# Altium PCB HORNET-1-IPG.PcbDoc (part 6 of 8)
Units mm, origin at the board's own origin, x right, y up, seen from the top; angles counter-clockwise.
Board outline 91.44 x 90.73 mm, 8 copper layers (TOP, AVERT, AHOR, GND, POWER, DVERT, DHOR, BOT), stack 0.686 mm thick; 726 components, 412 nets, 2077 pads, 2674 vias.
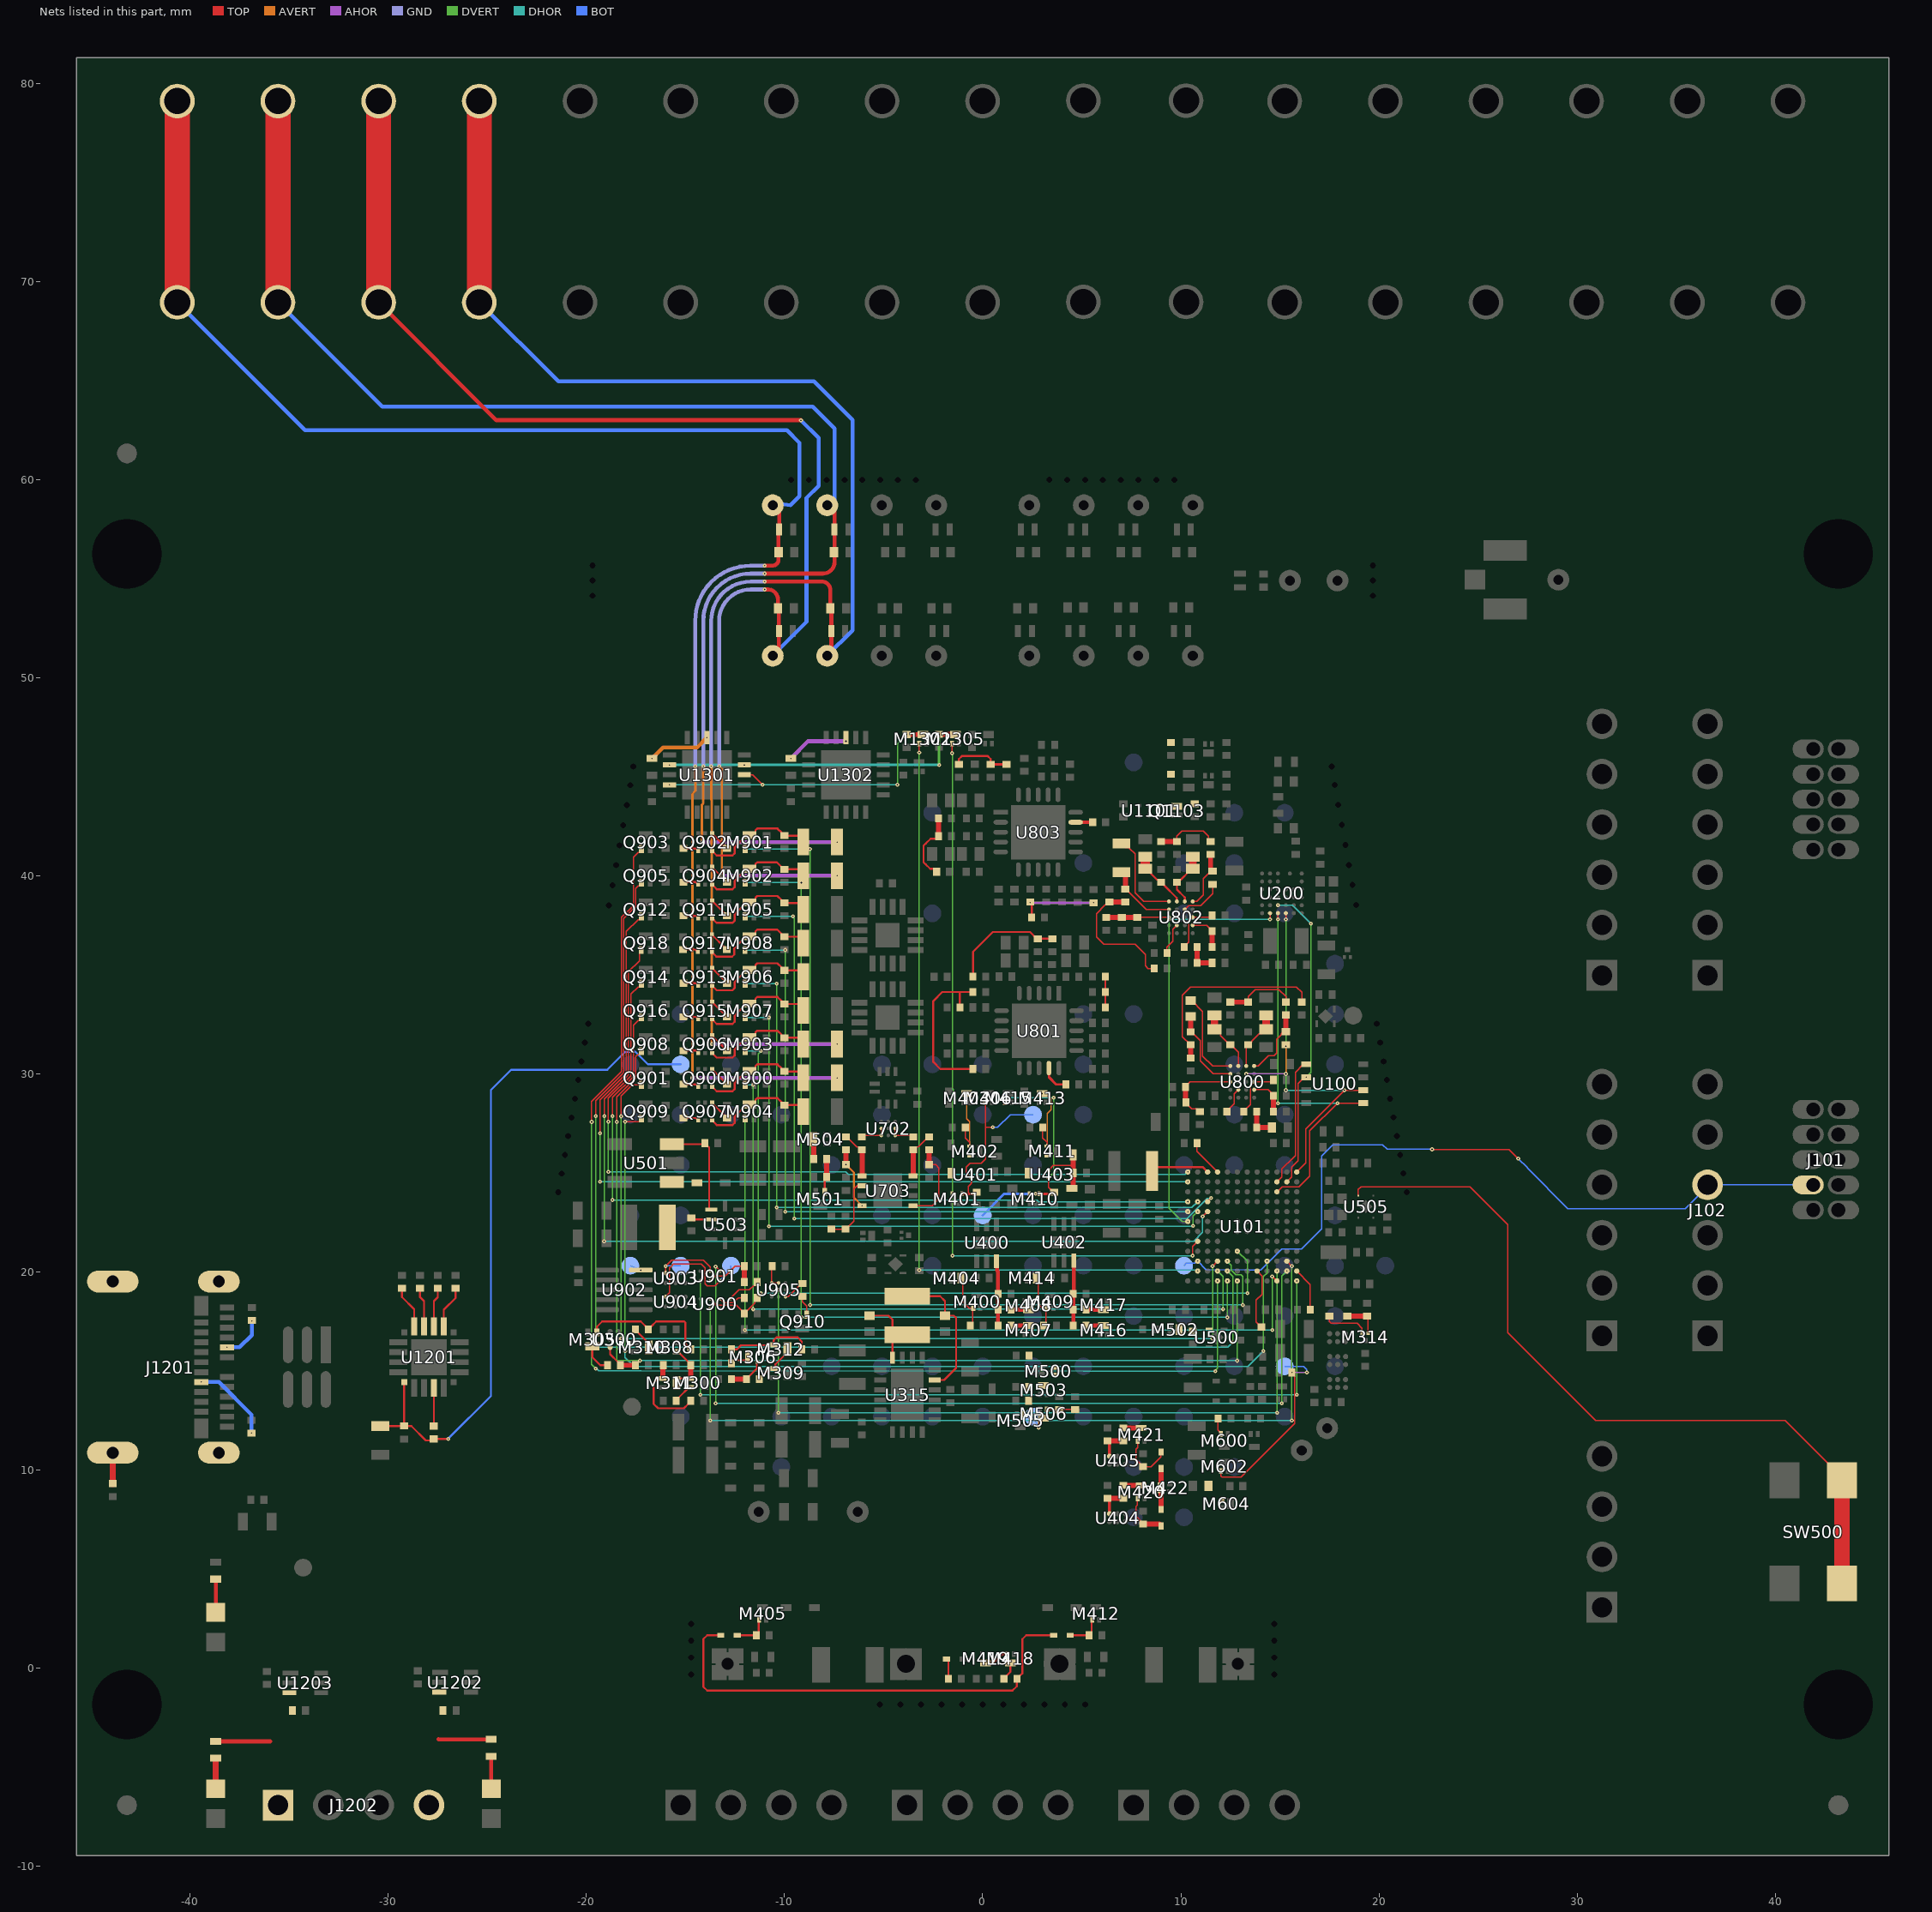
[diagram p12: the nets of this part, all layers, seen from the top]

## Via types
v1: diameter 0.2, hole 0.07, TOP to GND, tented top, 631 vias
v2: diameter 0.2, hole 0.07, GND to BOT, tented bottom, 276 vias
v3: diameter 0.2, hole 0.07, TOP to AHOR, tented top, 245 vias
v4: diameter 0.2, hole 0.07, TOP to BOT, tented top, 216 vias
v5: diameter 0.2, hole 0.07, TOP to POWER, tented top, 159 vias
v6: diameter 0.2, hole 0.07, TOP to DHOR, tented top, 156 vias
v7: diameter 0.2, hole 0.07, DHOR to BOT, tented bottom, 134 vias
v8: diameter 0.2, hole 0.07, TOP to AVERT, tented top, 129 vias
v9: diameter 0.2, hole 0.07, TOP to DVERT, tented top, 111 vias
v10: diameter 0.2, hole 0.07, AVERT to AHOR, 100 vias
v11: diameter 0.2, hole 0.07, DVERT to DHOR, 89 vias
v12: diameter 0.2, hole 0.07, DVERT to DHOR, tented both sides, 86 vias
v13: diameter 0.2, hole 0.07, AHOR to GND, 81 vias
v14: diameter 0.2, hole 0.07, TOP to AVERT, tented both sides, 47 vias
v15: diameter 0.2, hole 0.07, AVERT to AHOR, tented both sides, 39 vias
v16: diameter 0.2/0.2/0.2/0.2 (per signal layer), hole 0.07, TOP to GND, tented both sides, 35 vias
v17: diameter 0.2, hole 0.07, GND to POWER, 28 vias
v18: diameter 0.2, hole 0.07, POWER to DVERT, 22 vias
v19: diameter 0.2, hole 0.07, TOP to BOT, tented both sides, 21 vias
v20: diameter 0.2, hole 0.07, TOP to POWER, tented both sides, 17 vias
v21: diameter 0.2, hole 0.07, TOP to BOT, tented bottom, 12 vias
v22: diameter 0.2, hole 0.07, GND to BOT, tented both sides, 9 vias
v23: diameter 0.2/0.2/0/0.2/0/0/0/0.2 (per signal layer), hole 0.07, TOP to BOT, tented both sides, 7 vias
v24: diameter 0.2/0/0/0/0.2 (per signal layer), hole 0.07, TOP to POWER, tented top, 5 vias
v25: diameter 0.2, hole 0.07, TOP to DVERT, 4 vias
v26: diameter 0.2, hole 0.07, TOP to AHOR, tented both sides, 3 vias
v27: diameter 0.2/0.2/0/0.2/0/0.2/0/0.2 (per signal layer), hole 0.07, TOP to BOT, tented both sides, 2 vias
v28: diameter 0.2, hole 0.07, TOP to GND, tented both sides, 1 vias
v29: diameter 0.2, hole 0.07, AHOR to GND, tented bottom, 1 vias
v30: diameter 0/0 (per signal layer), hole 0.07, GND to POWER, 1 vias
v31: diameter 0.2/0 (per signal layer), hole 0.07, AVERT to AHOR, 1 vias
v32: diameter 0/0 (per signal layer), hole 0.07, AHOR to GND, 1 vias
v33: diameter 0/0 (per signal layer), hole 0.07, POWER to DVERT, 1 vias
v34: diameter 0/0 (per signal layer), hole 0.07, DVERT to DHOR, 1 vias
v35: diameter 0/0.2 (per signal layer), hole 0.07, DHOR to BOT, tented bottom, 1 vias
v36: diameter 0.2, hole 0.07, AVERT to AHOR, tented top, 1 vias
v37: diameter 0.2/0/0/0.2/0/0/0/0.2 (per signal layer), hole 0.07, TOP to BOT, tented both sides, 1 vias

## Nets (pads, with @x,y where several pads share a name; then routed paths per layer and width w, separated by ;. In a path a pad name is that pad's centre, name@x,y a point inside that pad or via, vN(x,y) a via of type N, cw(c..) or ccw(c..) an arc to the next point about the centre after c; other vN are vias at no path point) (continued)
NetC423_2: C423.2 R419.2 R420.1 U403.A2 | length 3.1
  TOP w0.06: U403.A2@3.325,25.11 3.325,25.128 3.572,25.375 4.57,25.375 ; R419.2@4.5,24.225 R419.2@4.57,24.295 ; R420.1@4.564,25.915 R420.1@4.57,25.908
  TOP w0.254: R419.2@4.57,24.295 C423.2@4.57,25 4.57,25.375 R420.1@4.57,25.908
NetC509_2: C509.2 M506.1 R510.2 TP509.1 | length 3.2
  TOP w0.06: v8(3.247,13.069) 4.648,13.069 C509.2@4.661,13.056
  AVERT w0.06: v35(2.825,12.138) 2.825,12.436 3.248,12.859 3.248,13.067 v8(3.247,13.069)
  BOT w0.06: TP509.1@2.54,12.7 v35(2.825,12.138)
  other v30: 2.825,12.138
  other v31: 2.825,12.138
  other v32: 2.825,12.138
  other v33: 2.825,12.138
  other v34: 2.825,12.138
NetC800_2: C800.2 R800.2 R804.1 U800.A3 | length 4.1
  TOP w0.06: R804.1@10.235,28.581 R804.1@10.25,28.566 10.25,28.541 10.555,28.236 10.82,28.236 R800.2@10.965,28.091 ; C800.2@10.235,29.336 10.235,29.371 10.464,29.6 U800.A3@12.5,29.6
  TOP w0.254: R804.1@10.235,28.581 C800.2@10.235,29.336
NetC802_1: C802.1 U800.A5 | length 4.7
  TOP w0.06: C802.1@10.5,33.7 10.55,33.7 11.1,33.15 11.1,30.9 11.6,30.4 U800.A5@12.5,30.4
NetC802_2: C802.2 R803.2 U800.A4 | length 4.3
  TOP w0.06: U800.A4@12.5,30 12.2,30 11.64,30 10.98,30.66 10.98,31.667 10.67,31.977 10.67,31.98 R803.2@10.55,32.1 ; R803.2@10.5,32.1 R803.2@10.55,32.1 ; R803.2@10.5,32.1 R803.2@10.55,32.1 ; R803.2@10.5,32.1 R803.2@10.55,32.1
  TOP w0.254: R803.2@10.5,32.125 C802.2@10.5,32.9
NetC803_1: C803.1 R810.2 U800.D5 | length 3.5
  TOP w0.06: U800.D5@13.7,30.4 13.904,30.4 14.424,30.92 14.696,30.92 14.835,31.059 14.835,31.735 15.07,31.97 15.07,32.02 15.25,32.2 C803.1@15.3,32.2
  TOP w0.254: C803.1@15.3,32.2 R810.2@15.3,32.975
NetC803_2: C803.2 U800.C4 | length 3.4
  AHOR w0.06: v3(13.3,30) 14,30 v15(15.3,30)
  AVERT w0.06: v15(15.3,30) v8(15.3,31.4)
NetC805_2: C805.2 R812.2 U800.D3 | length 2.7
  TOP w0.06: R812.2@13.2,28.15 13.505,28.455 13.505,29.405 U800.D3@13.7,29.6 14.57,29.6 C805.2@14.67,29.7
NetC806_2: C806.2 R811.2 R812.1 | length 1.7
  TOP w0.06: R812.1@13.812,28.088 R812.1@13.825,28.075 ; R812.1@13.8,28.1 R812.1@13.825,28.075 ; R812.1@13.8,28.1 R812.1@13.825,28.075 ; R812.1@13.8,28.1 R812.1@13.825,28.075
  TOP w0.254: R812.1@13.825,28.075 R811.2@13.825,27.3 C806.2@14.6,27.3
NetC813_1: C813.1 R827.2 R828.1 | length 8.2
  TOP w0.102: R827.2@-1.148,33.353 -1.148,34.129 ; C813.1@-0.488,30.251 -2.138,30.251 -2.489,30.602 -2.489,33.68 -2.04,34.129 -1.148,34.129 ; R828.1@-0.483,34.129 R828.1@-0.493,34.129 -1.148,34.129
NetC814_1: C814.1 R841.2 U802.D5 | length 2.7
  TOP w0.06: U802.D5@10.6,38.7 10.8,38.7 11.126,39.026 11.126,39.851 C814.1@11.475,40.2
  TOP w0.254: C814.1@11.5,40.4 R841.2@11.5,41.075
NetC814_2: C814.2 U802.C4 | length 2.1
  TOP w0.06: U802.C4@10.2,38.3 10.4,38.5 10.855,38.5 11,38.5 11.6,39.1 C814.2@11.6,39.5
NetC816_2: C816.2 R833.2 R834.1 U802.A3 | length 3.2
  TOP w0.06: C816.2@7.8,37.9 U802.A3@9.4,37.9
  TOP w0.254: R833.2@6.239,37.9 R834.1@7.027,37.9 C816.2@7.8,37.9
NetC817_1: C817.1 U802.A5 | length 4.8
  TOP w0.06: C817.1@7,41.625 7.216,41.409 7.416,41.409 7.42,41.405 7.42,41.38 7.69,41.11 7.69,39.134 8.124,38.7 9.145,38.7 U802.A5@9.4,38.7
NetC817_2: C817.2 R831.1 U802.A4 | length 3.4
  TOP w0.06: R831.1@7.3,39.3 7.3,39.25 7.37,39.18 8.25,38.3 9.145,38.3 U802.A4@9.4,38.3
  TOP w0.254: R831.1@7.2,39.325 C817.2@7.2,40.2
NetC819_2: C819.2 R843.2 U802.D3 | length 4.7
  TOP w0.06: R843.2@10.175,36.4 10.175,36.425 10.405,36.655 10.405,36.88 10.405,37.705 U802.D3@10.6,37.9 ; U802.D3@10.6,37.9 C819.2@11.6,37.9 ; U802.D3@10.6,37.9 C819.2@11.6,37.9 ; U802.D3@10.6,37.9 C819.2@11.6,37.9
NetC820_2: C820.2 R842.2 R843.1 | length 1.6
  TOP w0.06: C820.2@11.57,35.6 C820.2@11.6,35.6
  TOP w0.254: R843.1@10.825,36.4 R842.2@10.825,35.6 C820.2@11.57,35.6
NetC828_1: C828.1 R859.2 R860.1 | length 4
  TOP w0.1: v3(2.4,38.64) 2.475,38.565 R859.2@2.475,37.9
  AHOR w0.127: v3(2.4,38.64) v3(5.6,38.64)
NetC900_1: C900.1 M900.3 Q900.6 R903.1 | length 5.8
  TOP w0.1: Q900.6@-13.65,29.35 -13.42,29.12 -12.625,29.12 -12.52,29.225 -12.52,29.542 -11.912,30.15 M900.3@-11.762,30.15 -11.612,30.15 -11.462,30.3 -11.462,30.396 -11.378,30.48 -10.355,30.48 -10.15,30.275 -10.15,30.25 -10.025,30.125 -9.3,30.125 -9.05,29.875 C900.1@-9.05,29.8
NetC902_1: C902.1 M901.3 Q902.6 R910.1 | length 5.8
  TOP w0.1: Q902.6@-13.65,41.25 -13.42,41.02 -12.625,41.02 -12.52,41.125 -12.52,41.442 -12.062,41.9 -11.912,42.05 M901.3@-11.762,42.05 -11.612,42.05 -11.462,42.2 -11.462,42.296 -11.378,42.38 -10.355,42.38 -10.15,42.175 -10.15,42.15 -10.025,42.025 -9.3,42.025 -9.05,41.775 C902.1@-9.05,41.7
NetC903_1: C903.1 U900.6 | length 1.4
  TOP w0.06: U900.6@-13.25,18.65 -13.065,18.465 -12.555,18.465 -12.395,18.624 -12.32,18.7 C903.1@-12.03,18.7
NetC903_2: C903.2 R908.2 U900.7 | length 3.1
  TOP w0.06: U900.7@-13.75,18.65 -13.435,18.335 -12.435,18.335 -12.17,18.07 R908.2@-12.025,17.925 ; R908.2@-12.025,17.9 R908.2@-12.025,17.925 ; C903.2@-11.4,18.7 -11.506,18.594 -11.506,18.444 R908.2@-12.025,17.925
NetC904_1: C904.1 M902.3 Q904.6 R916.1 | length 5.8
  TOP w0.1: Q904.6@-13.65,39.55 -13.42,39.32 -12.625,39.32 -12.52,39.425 -12.52,39.742 -11.912,40.35 M902.3@-11.762,40.35 -11.612,40.35 -11.462,40.5 -11.462,40.596 -11.378,40.68 -10.38,40.68 -10.025,40.325 -9.3,40.325 -9.05,40.075 C904.1@-9.05,40
NetC906_1: C906.1 M903.3 Q906.6 R924.1 | length 5.8
  TOP w0.1: Q906.6@-13.65,31.05 -13.42,30.82 -12.625,30.82 -12.52,30.925 -12.52,31.242 -12.062,31.7 -11.912,31.85 M903.3@-11.762,31.85 -11.612,31.85 -11.462,32 -11.462,32.096 -11.378,32.18 -10.355,32.18 -10.15,31.975 -10.15,31.95 -10.025,31.825 -9.3,31.825 -9.05,31.575 C906.1@-9.05,31.5
NetC907_1: C907.1 M904.3 Q907.6 R925.1 | length 5.8
  TOP w0.1: Q907.6@-13.65,27.65 -13.42,27.42 -12.625,27.42 -12.52,27.525 -12.52,27.842 -12.062,28.3 -11.912,28.45 M904.3@-11.762,28.45 -11.612,28.45 -11.462,28.6 -11.462,28.696 -11.378,28.78 -10.355,28.78 -10.15,28.575 -10.15,28.55 -10.025,28.425 -9.3,28.425 -9.05,28.175 C907.1@-9.05,28.1
NetC909_1: C909.1 M905.3 Q911.6 R935.1 | length 5.8
  TOP w0.1: Q911.6@-13.65,37.85 -13.42,37.62 -12.625,37.62 -12.52,37.725 -12.52,38.042 -11.912,38.65 M905.3@-11.762,38.65 -11.612,38.65 -11.462,38.8 -11.462,38.896 -11.378,38.98 -10.355,38.98 -10.15,38.775 -10.15,38.75 R935.1@-10.025,38.625 ; R935.1@-10,38.625 -9.272,38.625 -9.05,38.403 C909.1@-9.05,38.3
NetC910_1: C910.1 M906.3 Q913.6 R940.1 | length 5.8
  TOP w0.1: Q913.6@-13.65,34.45 -13.42,34.22 -12.625,34.22 -12.52,34.325 -12.52,34.642 -11.912,35.25 M906.3@-11.762,35.25 -11.612,35.25 -11.462,35.4 -11.462,35.496 -11.378,35.58 -10.355,35.58 -10.15,35.375 -10.15,35.35 -10.025,35.225 -9.3,35.225 -9.05,34.975 C910.1@-9.05,34.9
NetC911_1: C911.1 M907.3 Q915.6 R945.1 | length 5.8
  TOP w0.1: Q915.6@-13.65,32.75 -13.42,32.52 -12.625,32.52 -12.52,32.625 -12.52,32.942 -12.062,33.4 -11.912,33.55 M907.3@-11.762,33.55 -11.612,33.55 -11.462,33.7 -11.462,33.796 -11.378,33.88 -10.355,33.88 -10.15,33.675 -10.15,33.65 -10.025,33.525 -9.3,33.525 -9.05,33.275 C911.1@-9.05,33.2
NetC912_1: C912.1 M908.3 Q917.6 R950.1 | length 5.8
  TOP w0.1: Q917.6@-13.668,36.15 -13.438,35.92 -12.644,35.92 -12.538,36.025 -12.538,36.327 -12.065,36.8 -11.915,36.95 M908.3@-11.765,36.95 -11.615,36.95 -11.465,37.1 -11.465,37.196 -11.381,37.28 -10.358,37.28 -10.153,37.075 -10.153,37.05 -10.028,36.925 -9.303,36.925 -9.053,36.675 C912.1@-9.053,36.6
NetC1203_1: C1203.1 C1204.2 R1203.2 TP1201.1 U1201.6 | length 35.1
  TOP w0.1: C1203.1@-30.4,12.225 C1204.2@-29.225,12.225 ; C1204.2@-29.2,12.23 C1204.2@-29.19,12.23 ; U1201.6@-29.19,14.45 C1204.2@-29.19,12.23 ; R1203.2@-27.7,11.5 -28.1,11.5 -28.83,12.23 C1204.2@-29.19,12.23 ; R1203.2@-27.7,11.575 -27.693,11.582 v6(-26.975,11.582)
  BOT w0.1: v6(-26.975,11.582) -24.816,13.741 -24.816,29.185 -23.796,30.205 -21.501,30.205 -18.946,30.205 -18.041,31.11 -17.519,31.11 -16.889,30.48 TP1201.1@-15.24,30.48
  other v7: -26.975,11.582
NetC1205_1: C1205.1 J1202.4 R1210.1 U1202.3 | length 2.7
  TOP w0.2: -27.457,-3.581 -27.451,-3.588 R1210.1@-24.8,-3.588
NetC1206_2: C1206.2 J1202.1 R1211.1 U1203.3 | length 2.8
  TOP w0.2: R1211.1@-38.7,-3.69 -35.948,-3.69
NetD400_2: D400.2 M401.1 M402.1
NetD419_1: D419.1 D421.1 R418.2 | length 23.5
  TOP w0.1: D419.1@-13.3,1.671 -13.9,1.671 -14.1,1.471 -14.1,-0.929 -13.9,-1.129 1.5,-1.129 1.725,-0.904 1.725,-0.504 1.85,-0.379 1.875,-0.379 2,-0.254 2,1.471 2.2,1.671 D421.1@3.58,1.671
NetD419_2: D419.2 M405.1 R408.2 | length 1.7
  TOP w0.1: D419.2@-12.38,1.671 R408.2@-11.425,1.671 -11.3,1.796 M405.1@-11.3,2.371
NetD420_2: D420.2 M410.1 M411.1
NetD421_2: D421.2 M412.1 R413.2 | length 3.2
  TOP w0.1: D421.2@4.42,1.671 R413.2@5.375,1.671 R413.2@5.5,1.796 ; R413.2@5.5,1.796 M412.1@5.5,2.471 ; R413.2@5.5,1.796 M412.1@5.5,2.471 ; R413.2@5.5,1.796 M412.1@5.5,2.471
NetD422_1: D422.1 R421.1 | length 1.1
  TOP w0.1: D422.1@-1.82,0.471 -1.8,0.471 -1.725,0.396 R421.1@-1.725,-0.529
NetD423_1: D423.1 D424.1 M422.3 | length 2.1
  TOP w0.07: M422.3@9,9.095 M422.3@8.995,9.1 M422.3@9,9.105
  TOP w0.254: D423.1@9,8.02 M422.3@9,9.095 ; M422.3@9,9.105 D424.1@9,10.08
NetD423_2: D423.2 M420.1 R423.2 | length 2.4
  TOP w0.07: M420.1@7.825,8.575 7.8,8.55 7.8,8.233 7.735,8.168 7.735,7.682 7.935,7.482 7.935,7.415 8.075,7.275 R423.2@8.1,7.275 ; D423.2@8.91,7.275 9,7.185 D423.2@9,7.18
  TOP w0.254: R423.2@8.1,7.275 D423.2@8.91,7.275
NetD424_2: D424.2 M421.1 R426.2 | length 2.9
  TOP w0.06: M421.1@7.825,11.475 7.825,11.151 7.74,11.066 7.74,10.535 7.93,10.345 7.93,10.32 8.075,10.175 8.499,10.175 9,10.676 D424.2@9,10.92
NetD503_2: D503.2 L500.2 U501.1
NetD800_2: D800.2 D804.1 R805.2 U800.B5 | length 3.8
  TOP w0.06: D800.2@11.7,32.25 11.784,32.25 12.004,32.03 12.004,31.946 12.33,31.62 12.355,31.62 R805.2@12.5,31.475 ; U800.B5@12.9,30.38 12.9,31.1 R805.2@12.67,31.33 ; R805.2@12.513,31.488 R805.2@12.67,31.33 ; R805.2@12.513,31.488 R805.2@12.67,31.33 ; R805.2@12.513,31.488 R805.2@12.67,31.33 ; R805.2@12.513,31.488 R805.2@12.67,31.33
  TOP w0.381: D800.2@11.7,32.25 D804.1@11.7,32.95
NetD801_2: D801.2 D805.1 R807.2 U800.C5 | length 3.1
  TOP w0.06: U800.C5@13.3,30.38 U800.C5@13.3,30.4 13.3,31.375 R807.2@13.4,31.475 13.425,31.475 13.57,31.62 13.57,31.645 13.955,32.03 14.08,32.03 D801.2@14.3,32.25
  TOP w0.381: D801.2@14.3,32.25 D805.1@14.3,32.95
NetD802_2: D802.2 D806.1 R839.2 U802.B5 | length 2.9
  TOP w0.1: D802.2@8.2,40.3 8.3,40.3 8.8,39.8 8.85,39.8 8.9,39.75 R839.2@8.9,39.7 ; R839.2@9,39.675 9.025,39.675 9.15,39.55 9.15,39.525 9.793,38.882 9.793,38.707 U802.B5@9.8,38.7
  TOP w0.483: D802.2@8.2,40.35 D806.1@8.2,40.95
NetD803_2: D803.2 D807.1 R840.2 U802.C5 | length 3.9
  TOP w0.1: U802.C5@10.2,38.7 10.2,38.9 10.18,38.92 9.8,39.3 R840.2@9.8,39.675 9.925,39.8 10,39.8 D803.2@10.4,40.2 ; D803.2@10.4,40.2 D803.2@10.7,40.2 ; D803.2@10.4,40.2 D803.2@10.7,40.2 ; D803.2@10.4,40.2 D803.2@10.7,40.2 ; D807.1@10.6,40.8 D807.1@10.675,40.875 ; D807.1@10.6,40.8 D807.1@10.675,40.875 ; D807.1@10.6,40.8 D807.1@10.7,40.9 ; D807.1@10.6,40.8 D807.1@10.675,40.875 ; D807.1@10.675,40.875 D807.1@10.7,40.9 ; D807.1@10.675,40.875 D807.1@10.7,40.9 ; D807.1@10.675,40.875 D807.1@10.7,40.9
  TOP w0.381: D803.2@10.6,40.3 D807.1@10.6,40.8
NetD1202_A: D1202.A R1205.2 | length 1.7
  TOP w0.2: D1202.A@-38.7,2.821 R1205.2@-38.7,4.503
NetD1203_A: D1203.A R1210.2 | length 1.6
  TOP w0.2: D1203.A@-24.8,-6.079 R1210.2@-24.8,-4.438
NetD1204_A: D1204.A R1211.2 | length 1.5
  TOP w0.3: D1204.A@-38.7,-6.079 R1211.2@-38.7,-4.54
NetJ1201_1: J1201.1 J1201.2 J1201.3 J1201.4 R1208.1 | length 1.6
  TOP w0.3: R1208.1@-43.9,9.3 R1208.1@-43.9,9.325 J1201.4@-43.9,10.88
NetJ1201_A5: J1201.A5 R1201.1 | length 2.2
  BOT w0.2: v21(-38.13,16.2) -37.5,16.2 -36.881,16.819 v21(-36.881,17.526)
NetJ1201_B5: J1201.B5 R1202.1 | length 4.1
  BOT w0.2: v21(-39.43,14.45) -38.55,14.45 -36.9,12.8 v21(-36.9,11.875)
NetL100_2: L100.2 U101.M10 | length 3
  TOP w0.1: L100.2@8.55,25.1 8.75,25.3 9.6,25.3 11.1,25.3 U101.M10@11.35,25.05
NetM300_1: M300.1 M308.1 M311.3 R317.2 | length 2.5
  TOP w0.1: M311.3@-15.45,14.4 -15.45,14.475 -15.3,14.625 M300.1@-14.75,14.625 M300.1@-14.725,14.65 ; M308.1@-15.45,15.975 -15.375,15.975 -15.3,15.9 R317.2@-14.725,15.325
  TOP w0.254: M300.1@-14.725,14.65 R317.2@-14.725,15.325
NetM300_2: M300.2 R319.1 | length 1.3
  TOP w0.1: R319.1@-15.475,13.5 -15.475,13.525 -15.35,13.65 M300.2@-14.8,14.2 ; M300.2@-14.8,14.2 M300.2@-14.7,14.2 ; M300.2@-14.8,14.2 M300.2@-14.7,14.2 ; M300.2@-14.8,14.2 M300.2@-14.7,14.2
NetM305_1: M305.1 R310.2 R318.1 | length 6.7
  TOP w0.1: M305.1@-19.5,16.986 -19.459,17.027 -19.459,17.241 -19.2,17.5 -17.25,17.5 R318.1@-16.875,17.125 ; R318.1@-16.875,17.1 R318.1@-16.875,17.125 ; R310.2@-14.725,16.1 -14.725,16.125 -14.85,16.25 -14.875,16.25 -15,16.375 -15,17.441 -15.059,17.5 -16.475,17.5 -16.725,17.25 -16.75,17.25 R318.1@-16.875,17.125
NetM305_3: M305.3 R320.1 | length 1.5
  TOP w0.1: M305.3@-19.7,16.25 -19.7,15.7 -19.3,15.3 R320.1@-18.925,15.3
NetM306_2: M306.2 R316.2 R322.1 | length 1.8
  TOP w0.1: R322.1@-11.925,14.6 -11.925,14.625 -11.8,14.75 -11.775,14.75 -11.4,15.125 M306.2@-11.4,15.4
  TOP w0.254: R316.2@-12.675,14.6 R322.1@-11.925,14.6
NetM306_3: M306.3 R315.2 | length 1
  TOP w0.1: R315.2@-12.675,15.4 -12.55,15.55 -11.925,15.55 M306.3@-11.85,15.7
NetM309_1: M309.1 M312.3 R322.2 | length 2.2
  TOP w0.1: R322.2@-11.275,14.6 -11.275,14.625 -11.15,14.75 -11.125,14.75 -10.819,15.056 -10.619,15.056 M309.1@-10.55,15.125 -10.534,15.125 -10.459,15.2 -10.459,15.341 -10,15.8 -9.994,15.806 -9.994,16.006 M312.3@-9.9,16.1
NetM310_3: M310.3 R318.2 | length 1.2
  TOP w0.1: R318.2@-17.525,17.1 -17.525,17.075 -17,16.55 -17,16.3 M310.3@-16.9,16.2
NetM311_1: M311.1 R324.2 R328.1 | length 4.8
  TOP w0.1: M311.1@-16.15,14.625 -16.206,14.569 -16.431,14.569 -16.6,14.4 -16.6,13.345 -16.375,13.12 -15.08,13.12 R324.2@-14.85,13.35 ; R324.2@-14.85,13.35 R324.2@-14.7,13.5 ; R324.2@-14.85,13.35 R324.2@-14.7,13.5 ; R324.2@-14.85,13.35 R324.2@-14.7,13.5
  TOP w0.254: M311.1@-16.137,14.638 R328.1@-16.137,15.288
NetM312_1: M312.1 R325.2 R326.1 | length 7.7
  TOP w0.1: R325.2@-12.675,16.1 -12.4,16.1 -12.2,16.3 ; M312.1@-10.55,16.325 -10.55,16.55 -10.4,16.7 -9.334,16.7 -9.125,16.491 R326.1@-9.125,16.1 ; -12.2,16.3 M312.1@-10.55,16.3 ; -12.2,16.3 M312.1@-10.55,16.3 ; -12.2,16.3 M312.1@-10.55,16.3
NetM314_1: M314.1 R336.2 R341.1 | length 1.9
  TOP w0.06: R341.1@19.4,17.775 19.45,17.725 M314.1@19.45,16.905
  TOP w0.254: R336.2@18.4,17.775 R341.1@19.4,17.775
NetM314_2: M314.2 R337.1 | length 2.3
  TOP w0.06: R337.1@17.5,17.775 17.5,17.504 17.584,17.42 18.893,17.42 19.15,17.163 M314.2@19.15,16.905
NetM400_1: M400.1 M404.3 R400.2 | length 4.3
  TOP w0.07: M404.3@-1.095,19.7 -1,19.605 -1,18.5 -0.675,18.175 M400.1@-0.475,18.175 ; R400.2@-0.625,17.3 R400.2@-0.5,17.425 ; R400.2@-0.5,17.425 M400.1@-0.5,18.175 ; R400.2@-0.5,17.425 M400.1@-0.5,18.175 ; R400.2@-0.5,17.425 M400.1@-0.5,18.175
NetM401_2: M401.2 M406.1 R402.2 TP406.1 U401.A1 | length 9
  TOP w0.06: -0.712,23.95 -0.712,24.326 -0.577,24.461 U401.A1@-0.577,24.76 -0.595,24.76 -0.837,25.002 -0.837,25.287 -0.634,25.49 -0.084,25.49 0.135,25.709 0.135,28.55 M406.1@0.125,28.56 ; R402.2@-0.375,23.95 R402.2@-0.3,24.025 ; 0.135,27.3 v7(0.51,27.3)
  TOP w0.127: M401.2@-1.05,23.95 -0.712,23.95 R402.2@-0.375,23.95
  BOT w0.06: v7(0.51,27.3) 0.75,27.3 1.39,27.94 TP406.1@2.54,27.94
  other v6: 0.51,27.3
NetM402_2: M402.2 M403.3 R401.2 | length 3.8
  TOP w0.06: R401.2@-0.875,27.3 -0.875,26.775 -0.65,26.55 v8(-0.65,26.35)
  AVERT w0.06: v8(-0.8,29.005) -0.815,28.99 -0.815,27.747 -0.65,27.582 v8(-0.65,26.35)
NetM407_3: M407.3 R405.2 | length 0.9
  TOP w0.2: R405.2@1.425,17.3 M407.3@2.3,17.3
NetM408_3: M408.3 R406.2 | length 2.6
  TOP w0.2: R406.2@1.425,18.1 M408.3@2.3,18.1 ; R406.2@1.425,18.1 M408.3@2.3,18.1 ; R406.2@1.425,18.1 M408.3@2.3,18.1
NetM409_1: M409.1 M414.3 R410.2 | length 4.3
  TOP w0.07: M414.3@2.705,19.7 2.8,19.605 2.8,18.4 3.025,18.175 M409.1@3.225,18.175 ; R410.2@3.075,17.3 R410.2@3.2,17.425 ; R410.2@3.2,17.425 M409.1@3.2,18.175 ; R410.2@3.2,17.425 M409.1@3.2,18.175 ; R410.2@3.2,17.425 M409.1@3.2,18.175
NetM410_2: M410.2 M415.1 R412.2 TP425.1 U403.A1 | length 11.7
  TOP w0.06: v9(3.325,24.76) 3.325,24.272 3.427,24.17 3.455,24.17 R412.2@3.6,24.025 R412.2@3.525,23.95
  TOP w0.127: v7(2.667,23.95) M410.2@2.85,23.95 R412.2@3.525,23.95
  DVERT w0.06: v9(3.325,24.76) 3.581,25.016 v12(3.581,28.804)
  DHOR w0.06: v6(1.118,28.575) 1.346,28.804 v12(3.581,28.804)
  BOT w0.127: TP425.1@0,22.86 1.09,23.95 v7(2.667,23.95)
  other v6: 2.667,23.95
NetM411_2: M411.2 M413.3 R411.2 | length 4.1
  TOP w0.06: R411.2@3.025,27.3 3.025,26.775 3.25,26.55 v8(3.25,26.35)
  AVERT w0.06: v8(3,29.005) 3.177,29.005 3.454,28.727 3.454,28.194 3.25,27.99 v8(3.25,26.35)
NetM416_3: M416.3 R416.2 | length 3.8
  TOP w0.2: M416.3@6.1,17.3 R416.2@5.225,17.3 ; R416.2@5.225,17.3 M416.3@6.2,17.3 ; R416.2@5.225,17.3 M416.3@6.2,17.3 ; R416.2@5.225,17.3 M416.3@6.2,17.3
NetM417_3: M417.3 R417.2 | length 2.6
  TOP w0.2: R417.2@5.225,18.1 M417.3@6.1,18.1 ; R417.2@5.225,18.1 M417.3@6.1,18.1 ; R417.2@5.225,18.1 M417.3@6.1,18.1
NetM418_2: M418.2 M419.3 | length 1.4
  TOP w0.1: M419.3@0,0.266 0.556,0.266 1.001,0.711 M418.2@1.225,0.711
NetM418_3: M418.3 R418.1 | length 0.9
  TOP w0.1: R418.1@1.075,-0.529 1.075,-0.504 1.4,-0.179 M418.3@1.4,0.266
NetM420_3: M420.3 R424.1 | length 0.9
  TOP w0.254: R424.1@7.1,9.225 M420.3@8,9.225
NetM421_3: M421.3 R427.1 | length 0.9
  TOP w0.254: R427.1@7.1,12.125 M421.3@8,12.125
NetM500_1: M500.1 M503.3 R503.2
NetM500_2: M500.2 R501.2
NetM501_1: M501.1 R504.2 R505.1 | length 1.7
  TOP w0.1: M501.1@-7.975,24.05 -7.975,24.725 R504.2@-7.9,24.8
  TOP w0.254: R504.2@-7.875,24.8 R505.1@-7.875,25.7
NetM502_3: M502.3 R500.1 U500.3
NetM504_3: M504.3 R505.2 | length 1.3
  TOP w0.1: M504.3@-8.6,26.7 M504.3@-8.575,26.675 ; M504.3@-8.6,26.7 M504.3@-8.575,26.675 ; M504.3@-8.6,26.7 M504.3@-8.575,26.675 ; M504.3@-8.6,26.7 M504.3@-8.525,26.625 ; M504.3@-8.575,26.675 M504.3@-8.525,26.625 ; M504.3@-8.575,26.675 M504.3@-8.525,26.625
  TOP w0.254: R505.2@-8.525,25.7 M504.3@-8.525,26.625